# KiCad board papilio_sodimm_interposer.kicad_pcb
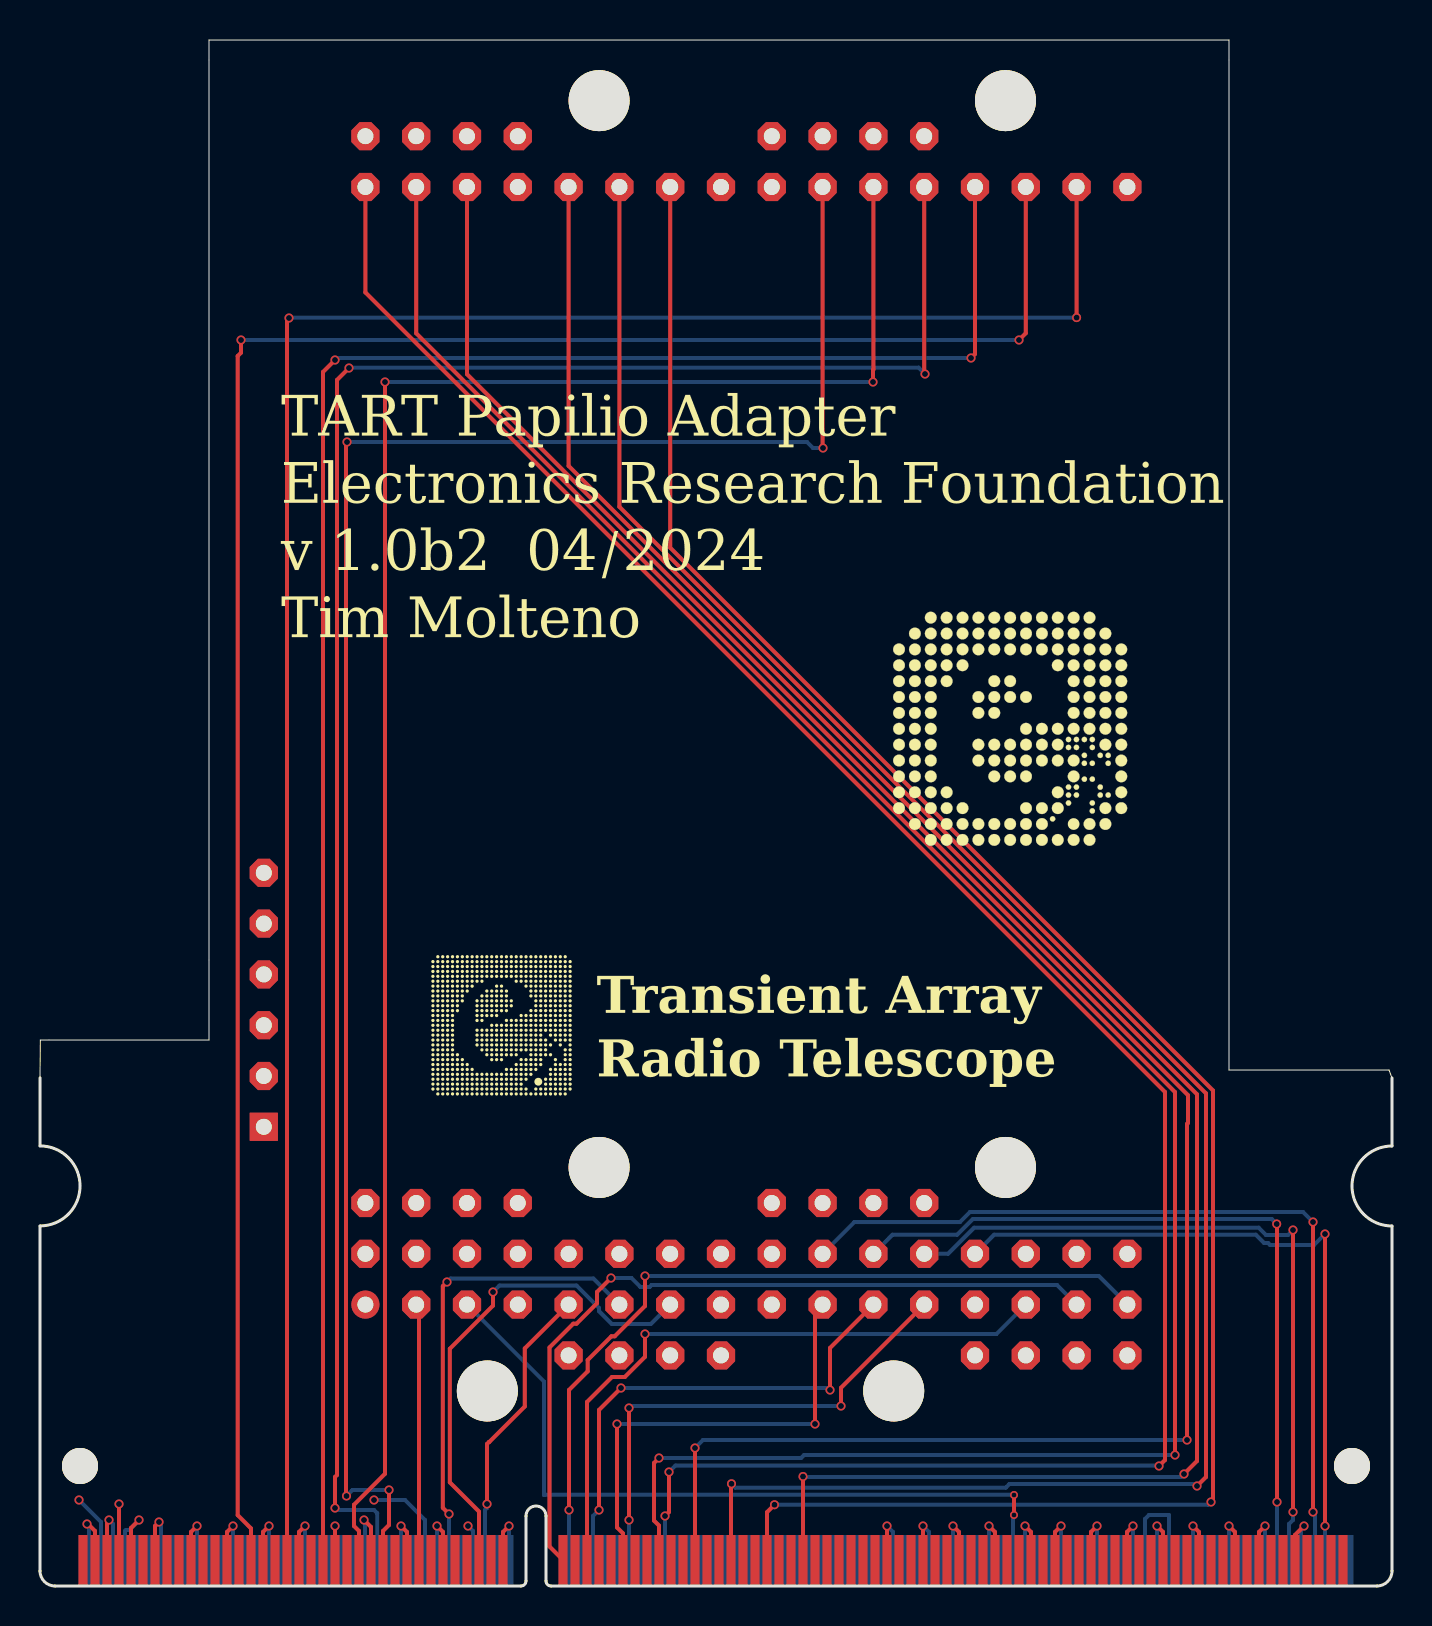
[diagram p0: board, top side]
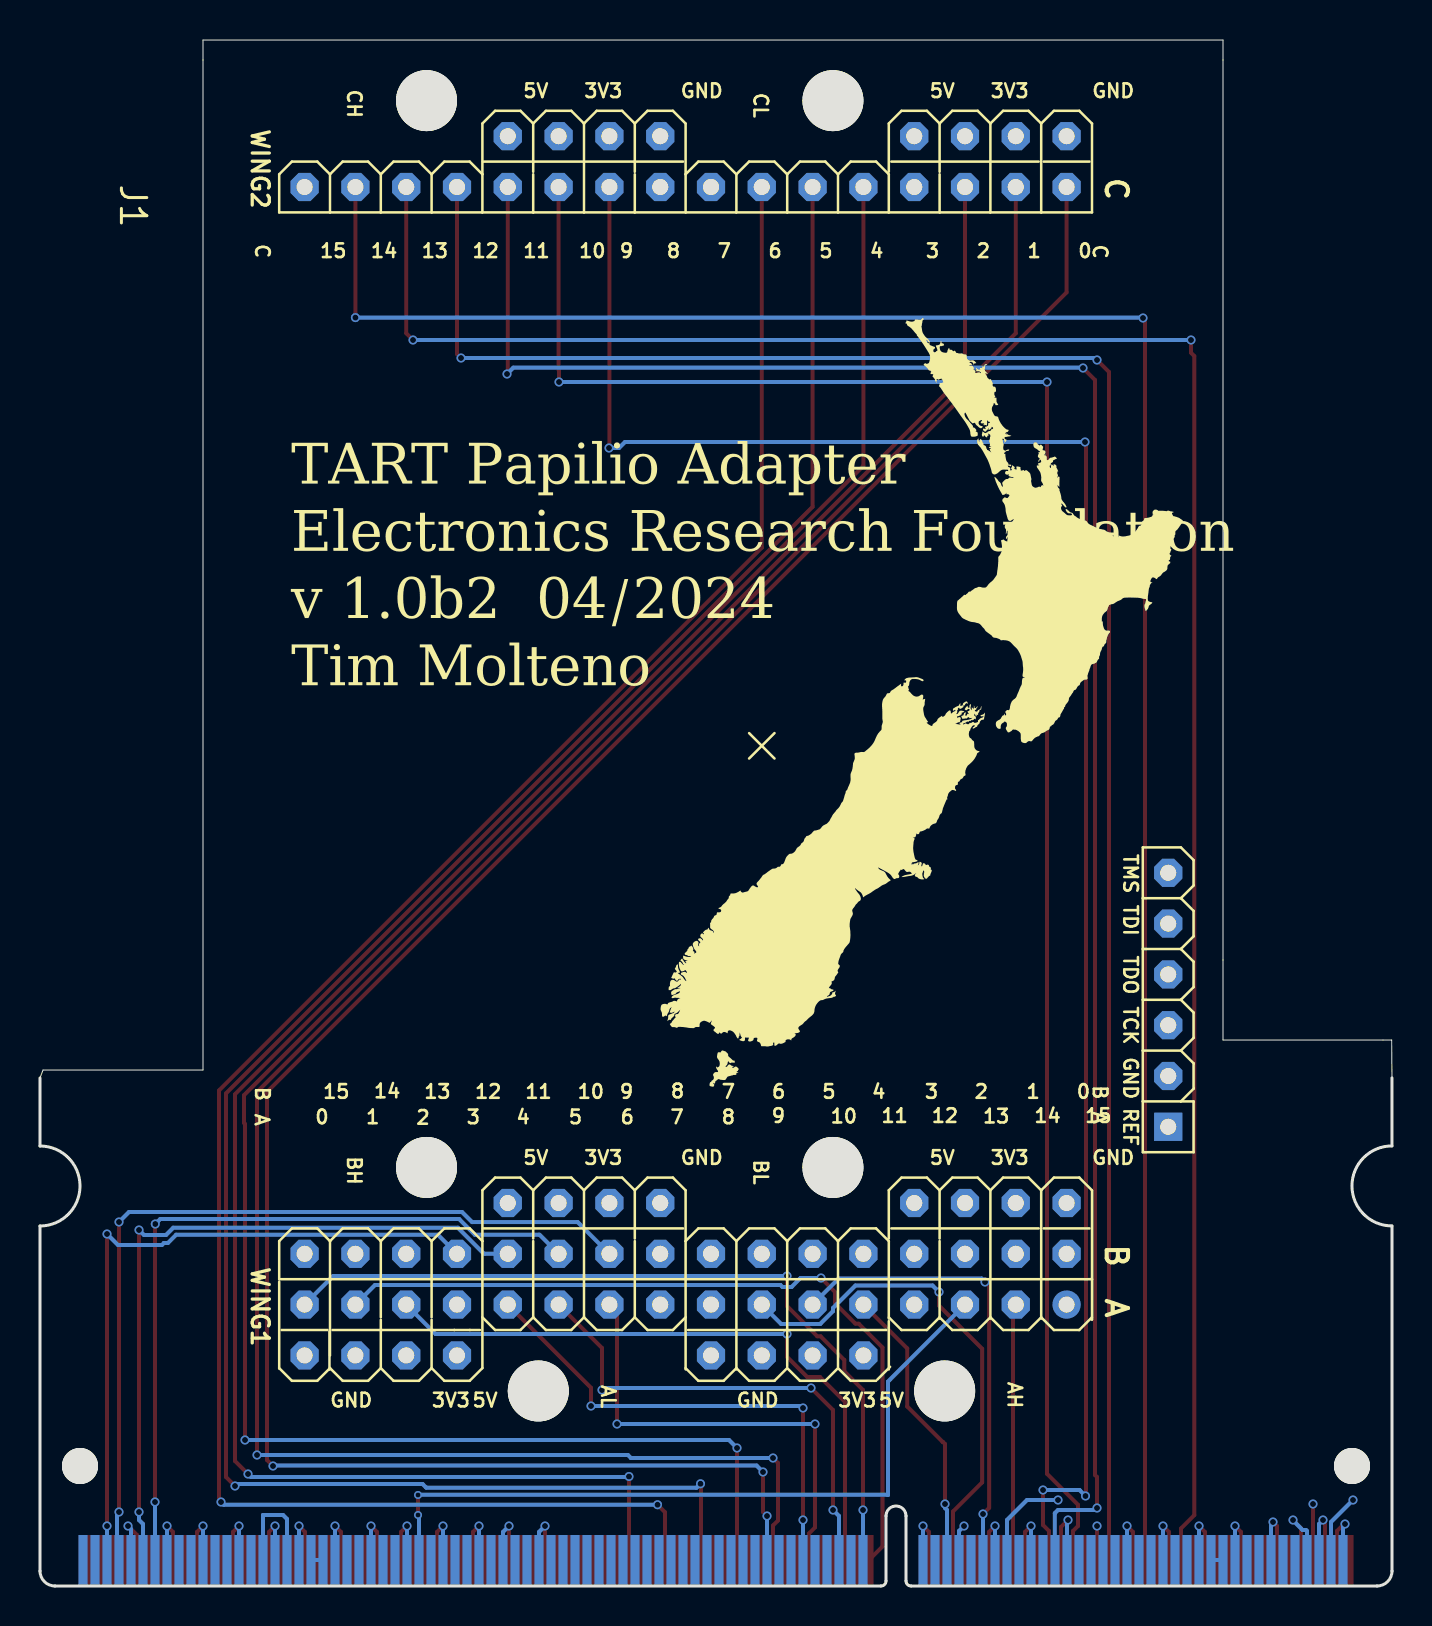
[diagram p1: board, bottom side, seen from below]

Outline 67.6 x 77.3 mm; copper layers: Top, In1.Cu, In2.Cu, Bottom. Coordinates in mm from the lower left corner of the outline.
Outline path: 0,25.4 0.02,27.3 0.45,27.3 8.45,27.3 8.45,77.3 59.45,77.3 59.45,25.8 67.45,25.8 67.6,25.4
Stack: Top 0.035mm / dielectric 0.1mm FR4 er 4.5 / In1.Cu 0.035mm / dielectric 0.64mm FR4 er 4.5 / In2.Cu 0.035mm / dielectric 0.1mm FR4 er 4.5 / Bottom 0.035mm

## Placement (name value [footprint] x y rotation side)
J1  Papilio Pro  [PAPILIO_PRO]  59.45 76.3 270 bottom
SLOT1  DDR3_204P_SMD  [SODIMM_DDR3_EDGE]  2.11 -0.02 0 top

## Library data of the parts
SLOT1 = -: BOM_SUPPLIER: LCSC; BOM_SUPPLIER PART: C225721; BOM_MANUFACTURER: FOXCONN; BOM_MANUFACTURER PART: AS0A621-H2S6-7H; SUBPART_NO: 1; BOM_JLCPCB PART CLASS: Extended Part; SPICEPRE: C; SPICESYMBOLNAME: AS0A621-H2S6-7H; ki_fp_filters: DDR3-SMD_0705F0BE40F

## Footprints (pads in the part's own frame, mm; a bottom-side part is the same pattern mirrored in y, then rotated)
PAPILIO_PRO
  round 3.048 hole 3.048 unplated: (2.032,11.176) (2.032,31.496) (55.372,11.176) (55.372,31.496) (66.548,16.764) (66.548,37.084)
  rrect 1.41x1.41 hole 0.8: 2V5W1@1(57.15,40.64) 2V5W1@2(64.77,27.94) 2V5W1@3(57.15,20.32) 2V5W1@4(64.77,7.62) 2V5W2@1(3.81,40.64) 2V5W2@2(3.81,20.32) 3V3W1@1(57.15,38.1) 3V3W1@2(64.77,30.48) 3V3W1@3(57.15,17.78) 3V3W1@4(64.77,10.16) 3V3W2@1(3.81,38.1) 3V3W2@2(3.81,17.78) A0(62.23,5.08) A1(62.23,7.62) A2(62.23,10.16) A3(62.23,12.7) A4(62.23,15.24) A5(62.23,17.78) A6(62.23,20.32) A7(62.23,22.86) A8(62.23,25.4) A9(62.23,27.94) A10(62.23,30.48) A11(62.23,33.02) A12(62.23,35.56) A13(62.23,38.1) A14(62.23,40.64) B0(59.69,43.18) B1(59.69,40.64) B2(59.69,38.1) B3(59.69,35.56) B4(59.69,33.02) B5(59.69,30.48) B6(59.69,27.94) B7(59.69,25.4) B8(59.69,22.86) B9(59.69,20.32) B10(59.69,17.78) B11(59.69,15.24) B12(59.69,12.7) B13(59.69,10.16) B14(59.69,7.62) B15(59.69,5.08) C0(6.35,43.18) C1(6.35,40.64) C2(6.35,38.1) C3(6.35,35.56) C4(6.35,33.02) C5(6.35,30.48) C6(6.35,27.94) C7(6.35,25.4) C8(6.35,22.86) C9(6.35,20.32) C10(6.35,17.78) C11(6.35,15.24) C12(6.35,12.7) C13(6.35,10.16) C14(6.35,7.62) C15(6.35,5.08) GNDW1@1(57.15,43.18) GNDW1@2(64.77,25.4) GNDW1@3(57.15,22.86) GNDW1@4(64.77,5.08) GNDW2@1(3.81,43.18) GNDW2@2(3.81,22.86) JTAG_GND(50.8,48.26) JTAG_TCK(48.26,48.26) JTAG_TDI(43.18,48.26) JTAG_TDO(45.72,48.26) JTAG_TMS(40.64,48.26) VIW1@1(57.15,35.56) VIW1@2(64.77,33.02) VIW1@3(57.15,15.24) VIW1@4(64.77,12.7) VIW2@1(3.81,35.56) VIW2@2(3.81,15.24)
  round 1.41 hole 0.8: A15(62.23,43.18)
  rect 1.41x1.41 hole 0.8: JTAG_REF(53.34,48.26)
SODIMM_DDR3_EDGE
  round 1.8 hole 1.8 unplated: (-0.112,6.016) (63.488,6.016)
  rect 0.45x2.5 smd: 1(0.038,1.316) 3(0.638,1.316) 5(1.238,1.316) 7(1.838,1.316) 9(2.438,1.316) 11(3.038,1.316) 13(3.638,1.316) 15(4.238,1.316) 17(4.838,1.316) 19(5.438,1.316) 21(6.038,1.316) 23(6.638,1.316) 25(7.238,1.316) 27(7.838,1.316) 29(8.438,1.316) 31(9.038,1.316) 33(9.638,1.316) 35(10.238,1.316) 37(10.838,1.316) 39(11.438,1.316) 41(12.038,1.316) 43(12.638,1.316) 45(13.238,1.316) 47(13.838,1.316) 49(14.438,1.316) 51(15.038,1.316) 53(15.638,1.316) 55(16.238,1.316) 57(16.838,1.316) 59(17.438,1.316) 61(18.038,1.316) 63(18.638,1.316) 65(19.238,1.316) 67(19.838,1.316) 69(20.438,1.316) 71(21.038,1.316) 73(24.038,1.316) 75(24.638,1.316) 77(25.238,1.316) 79(25.838,1.316) 81(26.438,1.316) 83(27.038,1.316) 85(27.638,1.316) 87(28.238,1.316) 89(28.838,1.316) 91(29.438,1.316) 93(30.038,1.316) 95(30.638,1.316) 97(31.238,1.316) 99(31.838,1.316) 101(32.438,1.316) 103(33.038,1.316) 105(33.638,1.316) 107(34.238,1.316) 109(34.838,1.316) 111(35.438,1.316) 113(36.038,1.316) 115(36.638,1.316) 117(37.238,1.316) 119(37.838,1.316) 121(38.438,1.316) 123(39.038,1.316) 125(39.638,1.316) 127(40.238,1.316) 129(40.838,1.316) 131(41.438,1.316) 133(42.038,1.316) 135(42.638,1.316) 137(43.238,1.316) 139(43.838,1.316) 141(44.438,1.316) 143(45.038,1.316) 145(45.638,1.316) 147(46.238,1.316) 149(46.838,1.316) 151(47.438,1.316) 153(48.038,1.316) 155(48.638,1.316) 157(49.238,1.316) 159(49.838,1.316) 161(50.438,1.316) 163(51.038,1.316) 165(51.638,1.316) 167(52.238,1.316) 169(52.838,1.316) 171(53.438,1.316) 173(54.038,1.316) 175(54.638,1.316) 177(55.238,1.316) 179(55.838,1.316) 181(56.438,1.316) 183(57.038,1.316) 185(57.638,1.316) 187(58.238,1.316) 189(58.838,1.316) 191(59.438,1.316) 193(60.038,1.316) 195(60.638,1.316) 197(61.238,1.316) 199(61.838,1.316) 201(62.438,1.316) 203(63.038,1.316)
  rect 0.45x2.5 smd far side: 2(0.338,1.316) 4(0.938,1.316) 6(1.538,1.316) 8(2.138,1.316) 10(2.738,1.316) 12(3.338,1.316) 14(3.938,1.316) 16(4.538,1.316) 18(5.138,1.316) 20(5.738,1.316) 22(6.338,1.316) 24(6.938,1.316) 26(7.538,1.316) 28(8.138,1.316) 30(8.738,1.316) 32(9.338,1.316) 34(9.938,1.316) 36(10.538,1.316) 38(11.138,1.316) 40(11.738,1.316) 42(12.338,1.316) 44(12.938,1.316) 46(13.538,1.316) 48(14.138,1.316) 50(14.738,1.316) 52(15.338,1.316) 54(15.938,1.316) 56(16.538,1.316) 58(17.138,1.316) 60(17.738,1.316) 62(18.338,1.316) 64(18.938,1.316) 66(19.538,1.316) 68(20.138,1.316) 70(20.738,1.316) 72(21.338,1.316) 74(24.338,1.316) 76(24.938,1.316) 78(25.538,1.316) 80(26.138,1.316) 82(26.738,1.316) 84(27.338,1.316) 86(27.938,1.316) 88(28.538,1.316) 90(29.138,1.316) 92(29.738,1.316) 94(30.338,1.316) 96(30.938,1.316) 98(31.538,1.316) 100(32.138,1.316) 102(32.738,1.316) 104(33.338,1.316) 106(33.938,1.316) 108(34.538,1.316) 110(35.138,1.316) 112(35.738,1.316) 114(36.338,1.316) 116(36.938,1.316) 118(37.538,1.316) 120(38.138,1.316) 122(38.738,1.316) 124(39.338,1.316) 126(39.938,1.316) 128(40.538,1.316) 130(41.138,1.316) 132(41.738,1.316) 134(42.338,1.316) 136(42.938,1.316) 138(43.538,1.316) 140(44.138,1.316) 142(44.738,1.316) 144(45.338,1.316) 146(45.938,1.316) 148(46.538,1.316) 150(47.138,1.316) 152(47.738,1.316) 154(48.338,1.316) 156(48.938,1.316) 158(49.538,1.316) 160(50.138,1.316) 162(50.738,1.316) 164(51.338,1.316) 166(51.938,1.316) 168(52.538,1.316) 170(53.138,1.316) 172(53.738,1.316) 174(54.338,1.316) 176(54.938,1.316) 178(55.538,1.316) 180(56.138,1.316) 182(56.738,1.316) 184(57.338,1.316) 186(57.938,1.316) 188(58.538,1.316) 190(59.138,1.316) 192(59.738,1.316) 194(60.338,1.316) 196(60.938,1.316) 198(61.538,1.316) 200(62.138,1.316) 202(62.738,1.316) 204(63.338,1.316)

## Nets
+3.3V: SLOT1.22 SLOT1.24
+5V: J1.VIW1@1 J1.VIW1@2 J1.VIW1@3 J1.VIW1@4 J1.VIW2@1 J1.VIW2@2 SLOT1.4 SLOT1.5 SLOT1.6 SLOT1.7
GND: J1.GNDW1@1 J1.GNDW1@2 J1.GNDW1@3 J1.GNDW1@4 J1.GNDW2@1 J1.GNDW2@2 SLOT1.2 SLOT1.3 SLOT1.8 SLOT1.9 SLOT1.13 SLOT1.14 SLOT1.19 SLOT1.20 SLOT1.25 SLOT1.26 SLOT1.31 SLOT1.32 SLOT1.37 SLOT1.38 SLOT1.43 SLOT1.48 SLOT1.49 SLOT1.54 SLOT1.55 SLOT1.60 SLOT1.61 SLOT1.66 SLOT1.71 SLOT1.72 SLOT1.127 SLOT1.128 SLOT1.133 SLOT1.134 SLOT1.138 SLOT1.139 SLOT1.144 SLOT1.145 SLOT1.150 SLOT1.151 SLOT1.155 SLOT1.156 SLOT1.161 SLOT1.162 SLOT1.167 SLOT1.168 SLOT1.172 SLOT1.173 SLOT1.178 SLOT1.179 SLOT1.184 SLOT1.185 SLOT1.189 SLOT1.190 SLOT1.195 SLOT1.196
/A13_IOR32A_READY: SLOT1.98
/B10_IOR31B_~{RECFG}: SLOT1.96
/C7_IOL40B_1V5: SLOT1.157
/C10_IOR39A: SLOT1.135
/C13_IOR32B_DONE: SLOT1.136
/D7_IOL53B_1V5: SLOT1.159
/E8_IOL45B_1V5: SLOT1.160
/E9_IOL38B_1V5: SLOT1.158
/F_VCCO0&1: SLOT1.164 SLOT1.166
/F_VCCO7: SLOT1.170 SLOT1.174
/JTAG_TCK: SLOT1.149
/JTAG_TDI: SLOT1.153
/JTAG_TDO: SLOT1.147
/JTAG_TMS: SLOT1.143
/LVDS_IOR40_N: SLOT1.193
/LVDS_IOR40_P: SLOT1.191
/LVDS_IOT32_N: SLOT1.152
/LVDS_IOT32_P: SLOT1.154
/LVDS_TX1_N: SLOT1.142
/LVDS_TX1_P: SLOT1.140
/M11_IOR27B_FPGA_TXO: SLOT1.11
/T2_IOB48B_1V5: SLOT1.163
/T3_IOB52B_1V5: SLOT1.165
/T4_IOB45B_1V5: SLOT1.169
/T5_IOB54B_1V5: SLOT1.171
/T10_IOR35B_FPGA_~{RST}: SLOT1.15
/T13_IOR8B_FPGA_RXO: SLOT1.1
/T15_IOR7A: SLOT1.81
CLK_16: J1.A13 SLOT1.148
FPGA_CS#: J1.B9 SLOT1.198
FPGA_MISO: J1.B10 SLOT1.192
FPGA_MOSI: J1.B11 SLOT1.194
FPGA_SCLK: J1.B12 SLOT1.200
R09_I1: SLOT1.63
R9_I1: J1.A12
R09_Q1: SLOT1.65
R10_I1: J1.A10 SLOT1.62
R10_Q1: SLOT1.64
R11_I1: J1.A9 SLOT1.67
R11_Q1: SLOT1.69
R12_I1: J1.A11 SLOT1.68
R12_Q1: SLOT1.70
R13_I1: J1.A1 SLOT1.73
R13_Q1: SLOT1.75
R14_I1: J1.A0 SLOT1.74
R14_Q1: SLOT1.76
R15_I1: J1.A2 SLOT1.77
R15_Q1: SLOT1.79
R16_I1: J1.A5 SLOT1.78
R16_Q1: SLOT1.80
R17_I1: J1.A6 SLOT1.83
R17_Q1: SLOT1.85
R18_I1: J1.A4 SLOT1.84
R18_Q1: SLOT1.86
R19_I1: J1.C1 SLOT1.89
R19_Q1: SLOT1.91
R20_I1: J1.C0 SLOT1.90
R20_Q1: SLOT1.92
R21_I1: J1.C2 SLOT1.95
R21_Q1: SLOT1.97
R22_I1: J1.C5 SLOT1.101
R22_Q1: SLOT1.103
R23_I1: J1.C6 SLOT1.107
R23_Q1: SLOT1.109
R24_I1: J1.C4 SLOT1.113
R24_Q1: SLOT1.115
R25_I1: SLOT1.119
R25_Q1: SLOT1.121
R26_I1: SLOT1.123
R26_Q1: SLOT1.125
R27_I1: SLOT1.129
R27_Q1: SLOT1.131
R28_I1: SLOT1.130
R28_Q1: SLOT1.132
R29_I1: SLOT1.175
R29_Q1: SLOT1.177
R30_I1: SLOT1.180
R30_Q1: SLOT1.176
R31_I1: SLOT1.181
R31_Q1: SLOT1.183
R32_I1: SLOT1.186
R32_Q1: SLOT1.182
RADIO_RECONFIG: SLOT1.146
RX01_I0: SLOT1.27
RX01_I1: J1.C13 SLOT1.29
RX01_Q0: SLOT1.28
RX01_Q1: SLOT1.30
RX02_I0: SLOT1.33
RX02_I1: J1.C14 SLOT1.35
RX02_Q0: SLOT1.34
RX02_Q1: SLOT1.36
RX03_I0: SLOT1.39
RX03_I1: J1.C12 SLOT1.41
RX03_Q0: SLOT1.40
RX03_Q1: SLOT1.42
RX04_I0: SLOT1.45
RX04_I1: J1.C10 SLOT1.47
RX04_Q0: SLOT1.44
RX04_Q1: SLOT1.46
RX05_I1: J1.C9 SLOT1.51
RX05_Q1: SLOT1.53
RX06_I1: J1.C11 SLOT1.50
RX06_Q1: SLOT1.52
RX07_I1: J1.A14 SLOT1.57
RX07_Q1: SLOT1.59
RX08_I1: J1.A15 SLOT1.58
RX08_Q1: SLOT1.56

Pads without a net: J1 2V5W1@1 2V5W1@2 2V5W1@3 2V5W1@4 2V5W2@1 2V5W2@2 3V3W1@1 3V3W1@2 3V3W1@3 3V3W1@4 3V3W2@1 3V3W2@2 A3 A7 A8 B0 B1 B2 B3 B4 B5 B6 B7 B8 B13 B14 B15 C3 C7 C8 C15 JTAG_GND JTAG_REF JTAG_TCK JTAG_TDI JTAG_TDO JTAG_TMS; SLOT1 10 12 16 17 18 21 23 82 87 88 93 94 99 100 102 104 105 106 108 110 111 112 114 116 117 118 120 122 124 126 137 141 187 188 197 199 201 202 203 204

## Via types
v1: diameter 0.45, hole 0.3, Top to Bottom, 82 vias
v2: diameter 0.4, hole 0.25, Top to Bottom, 2 vias

## Routing (per net, layer and track width the routed paths; a pad name or vN(x,y) marks a point on that pad's centre or on a via; arc(x,y) is an arc through that point)
+3.3V: length 0.6
  Bottom w0.2: SLOT1.22 SLOT1.24
+5V: length 10.4
  Top w0.2: SLOT1.5 3.35,3.2 v1(3.45,3.3) ; v1(3.95,4.1) SLOT1.7
  Bottom w0.2: v1(1.95,4.3) 3.05,3.2 SLOT1.4 ; v1(3.45,3.3) 3.65,3.1 SLOT1.6
GND: length 90.6
  Top w0.2: SLOT1.145 47.75,2.7 v1(47.45,3) ; SLOT1.25 9.35,2.7 v1(9.65,3) ; v1(51.05,3) 50.75,2.7 SLOT1.155 ; v1(5.95,3.2) 5.75,3 SLOT1.13 ; SLOT1.133 v1(44.15,3) ; v1(11.45,3) 11.15,2.7 SLOT1.31 ; SLOT1.189 60.95,2.7 v1(61.25,3) ; v1(57.65,3) 57.95,2.7 SLOT1.179 ; v1(45.65,3) 45.95,2.7 SLOT1.139 ; SLOT1.37 12.95,2.7 v1(13.25,3) ; SLOT1.185 59.75,2.7 v1(59.45,3) ; v1(55.85,3) 56.15,2.7 SLOT1.173 ; SLOT1.151 49.55,2.7 v1(49.25,3) ; v1(16.2,3.3) 16.55,2.95 SLOT1.49 ; v1(4.95,3.3) 4.55,2.9 SLOT1.9 ; SLOT1.127 v1(42.35,3) ; v1(23.45,3) 23.15,2.7 SLOT1.71 ; SLOT1.55 18.35,2.7 v1(18.05,3) ; SLOT1.43 v1(14.75,3) ; v1(52.85,3) 52.55,2.7 SLOT1.161 ; SLOT1.3 2.75,2.75 2.4,3.1 v1(2.35,3.1) ; v1(54.65,3) 54.35,2.7 SLOT1.167 ; SLOT1.19 7.55,2.7 v1(7.85,3) ; SLOT1.61 20.15,2.7 v1(19.85,3) ; SLOT1.195 62.75,2.55 v1(63.2,3)
  Bottom w0.2: SLOT1.20 v1(7.85,3) ; SLOT1.26 v1(9.65,3) ; SLOT1.54 v1(18.05,3) ; v1(21.4,3) 21.65,2.75 SLOT1.66 ; SLOT1.168 v1(54.65,3) ; SLOT1.32 v1(11.45,3) ; SLOT1.172 v1(55.85,3) ; v1(16.2,3.3) 16.25,3.25 SLOT1.48 ; SLOT1.144 v1(47.45,3) ; SLOT1.8 4.25,2.75 4.3,2.8 4.47,2.8 4.95,3.28 v1(4.95,3.3) ; v1(2.35,3.1) 2.45,3 SLOT1.2 ; v1(5.95,3.2) 6.05,3.1 SLOT1.14 ; SLOT1.162 v1(52.85,3) ; SLOT1.196 63.05,2.85 v1(63.2,3) ; v1(42.35,3) 42.65,2.7 SLOT1.128 ; SLOT1.138 v1(45.65,3) ; SLOT1.150 v1(49.25,3) ; SLOT1.38 v1(13.25,3) ; SLOT1.72 v1(23.45,3) ; SLOT1.156 v1(51.05,3) ; SLOT1.190 v1(61.25,3) ; SLOT1.60 v1(19.85,3) ; SLOT1.184 v1(59.45,3) ; SLOT1.134 44.45,2.7 v1(44.15,3) ; SLOT1.178 v1(57.65,3)
/F_VCCO0&1: length 0.6
  Bottom w0.2: SLOT1.164 SLOT1.166
/F_VCCO7: length 5.6
  Bottom w0.2: SLOT1.170 55.25,3.35 55.45,3.55 56.45,3.55 SLOT1.174
CLK_16: length 37.9
  Top w0.2: v2(48.7,4.55) v2(48.7,3.55)
  Bottom w0.2: SLOT1.148 48.65,3.5 v2(48.7,3.55) ; v2(48.7,4.55) 48.69,4.56 25.21,4.56 25.2,4.55 25.2,10.22 J1.A13
FPGA_CS#: length 42.6
  Top w0.2: v1(63.65,3.7) v1(63.65,18.2)
  Bottom w0.2: v1(63.65,18.2) 63.15,18.7 46.5,18.7 45.99,18.2 40.72,18.2 J1.B9 ; v1(63.65,3.7) 63.75,3.6 63.75,1.4 SLOT1.198
FPGA_MISO: length 37.8
  Top w0.2: v1(61.85,4.2) 61.85,18.09 v1(61.84,18.1)
  Bottom w0.2: J1.B10 42.62,17.56 45.86,17.56 46.64,18.35 61.59,18.35 v1(61.84,18.1) ; SLOT1.192 v1(61.85,4.2)
FPGA_MOSI: length 35.8
  Top w0.2: v1(62.65,17.8) v1(62.65,3.7)
  Bottom w0.2: v1(62.65,3.7) 62.65,3.3 62.45,3.1 SLOT1.194 ; J1.B11 45.4,16.61 46.7,17.91 60.94,17.91 61.3,17.55 62.4,17.55 v1(62.65,17.8)
FPGA_SCLK: length 34.6
  Top w0.2: v1(64.25,17.6) v1(64.25,3)
  Bottom w0.2: J1.B12 47.7,17.56 60.79,17.56 61.21,17.15 61.41,17.15 61.51,17.05 63.7,17.05 v1(64.25,17.6) ; v1(64.25,3) SLOT1.200
R10_I1: length 23.3
  Top w0.2: v1(20.45,3.6) 20.14,3.91 20.14,14.99 v1(20.35,15.2)
  Bottom w0.2: J1.A10 27.67,15.37 20.52,15.37 v1(20.35,15.2) ; SLOT1.62 v1(20.45,3.6)
R11_I1: length 25.2
  Top w0.2: SLOT1.67 21.95,3.72 20.49,5.18 20.49,11.86 22.65,14.02 v1(22.65,14.7)
  Bottom w0.2: v1(22.65,14.7) 22.97,15.02 26.83,15.02 27.95,13.9 27.95,13.74 28.59,13.1 30.54,13.1 J1.A9
R12_I1: length 14.5
  Top w0.2: v1(22.35,4.1) 22.35,7.1 22.45,7.2 22.46,7.2 24.24,8.98 24.24,11.88 J1.A11
  Bottom w0.2: SLOT1.68 22.25,3.8 22.35,3.9 v1(22.35,4.1)
R13_I1: length 39.7
  Top w0.2: v1(28.55,15.4) 27.85,14.7 27.85,14.14 26.83,13.12 26.66,13.12 25.48,11.93 25.48,1.97 SLOT1.73
  Bottom w0.2: v1(28.55,15.4) 29.57,15.4 30.02,14.95 30.48,14.95 30.58,15.05 50.85,15.05 J1.A1
R14_I1: length 40.6
  Top w0.2: v1(30.25,15.5) 30.25,14 28.74,12.48 28.57,12.48 27.38,11.3 27.38,10.73 26.45,9.8 v1(26.45,3.8)
  Bottom w0.2: J1.A0 52.94,15.5 v1(30.25,15.5) ; v1(26.45,3.8) SLOT1.74
R15_I1: length 32.5
  Top w0.2: v1(30.25,12.6) 30.25,11.46 29.24,10.45 28.6,10.45 27.35,9.2 SLOT1.77
  Bottom w0.2: J1.A2 47.82,12.6 v1(30.25,12.6)
R16_I1: length 24.8
  Top w0.2: J1.A5 39.5,11.9 v1(39.5,9.8) ; v1(29.05,9.9) 27.95,8.8 v1(27.95,3.8)
  Bottom w0.2: v1(27.95,3.8) 27.65,3.5 SLOT1.78 ; v1(39.5,9.8) 39.4,9.9 v1(29.05,9.9)
R17_I1: length 23
  Top w0.2: v1(28.85,8.1) 28.85,2.93 29.15,2.63 SLOT1.83 ; J1.A6 38.75,13.69 v1(38.75,8.1)
  Bottom w0.2: v1(28.85,8.1) v1(38.75,8.1)
R18_I1: length 25
  Top w0.2: v1(29.45,8.9) v1(29.45,3.3) ; v1(40.05,9) 40.05,9.91 J1.A4
  Bottom w0.2: v1(40.05,9) 29.55,9 v1(29.45,8.9) ; v1(29.45,3.3) SLOT1.84
R19_I1: length 110.3
  Top w0.2: SLOT1.89 30.95,3.02 30.7,3.27 30.7,6.15 v1(30.95,6.4) ; J1.C1 18.81,62.63 56.75,24.69 v1(56.75,6.55)
  Bottom w0.2: v1(56.75,6.55) 38.21,6.55 38.06,6.4 v1(30.95,6.4)
R20_I1: length 109.8
  Top w0.2: v1(31.45,5.7) 31.45,3.7 v1(31.25,3.5) ; v1(55.95,6) 56.25,6.3 56.25,24.7 16.27,64.68 J1.C0
  Bottom w0.2: v1(31.25,3.5) SLOT1.90 ; v1(55.95,6) 55.93,6.02 31.77,6.02 v1(31.45,5.7)
R21_I1: length 108
  Top w0.2: J1.C2 21.35,60.59 57.4,24.54 57.4,23.16 57.35,23.11 v1(57.35,7.3) ; v1(32.75,6.9) SLOT1.95
  Bottom w0.2: v1(32.75,6.9) 33.15,7.3 v1(57.35,7.3)
R22_I1: length 104.6
  Top w0.2: J1.C5 28.97,53.96 58.3,24.63 58.3,23.93 58.3,5.45 v1(57.85,5) ; SLOT1.101 34.55,5.09 v1(34.57,5.11)
  Bottom w0.2: v1(57.85,5) 57.75,5.1 48.47,5.1 48.28,4.91 34.77,4.91 v1(34.57,5.11)
R23_I1: length 101.8
  Top w0.2: SLOT1.107 36.35,3.69 v1(36.72,4.06) ; J1.C6 31.51,51.91 58.65,24.77 58.65,24.08 58.65,4.3 v1(58.55,4.2)
  Bottom w0.2: v1(36.72,4.06) 58.41,4.06 v1(58.55,4.2)
R24_I1: length 100.9
  Top w0.2: v1(57.2,5.6) 57.85,6.25 57.85,24.58 26.43,56 J1.C4 ; SLOT1.113 v1(38.15,5.47)
  Bottom w0.2: v1(57.2,5.6) 57.05,5.45 38.17,5.45 v1(38.15,5.47)
RX01_I1: length 108
  Top w0.2: v1(10.05,62.3) 10.05,61.66 9.89,61.5 9.89,3.54 10.55,2.88 SLOT1.29 ; J1.C13 49.29,62.64 v1(48.95,62.3)
  Bottom w0.2: v1(48.95,62.3) v1(10.05,62.3)
RX02_I1: length 108.1
  Top w0.2: J1.C14 v1(51.83,63.42) ; v1(12.45,63.4) 12.35,63.3 SLOT1.35
  Bottom w0.2: v1(51.83,63.42) 12.47,63.42 v1(12.45,63.4)
RX03_I1: length 100.7
  Top w0.2: SLOT1.41 14.15,60.7 v1(14.75,61.3) ; J1.C12 46.75,61.6 v1(46.55,61.4)
  Bottom w0.2: v1(46.55,61.4) 14.85,61.4 v1(14.75,61.3)
RX04_I1: length 93.8
  Top w0.2: J1.C10 41.67,60.82 41.65,60.8 v1(41.65,60.2) ; v1(17.25,60.2) 17.25,5.61 15.7,4.06 15.7,3 15.95,2.75 SLOT1.47
  Bottom w0.2: v1(17.25,60.2) v1(41.65,60.2)
RX05_I1: length 95.6
  Top w0.2: v1(39.15,56.9) 39.13,56.92 J1.C9 ; v1(17.45,4.8) 17.45,3.05 17.15,2.75 SLOT1.51 ; v1(15.35,57.2) 15.3,57.15 15.3,4.53 v1(15.33,4.5)
  Bottom w0.2: v1(15.33,4.5) 15.63,4.8 v1(17.45,4.8) ; v1(15.35,57.2) 38.35,57.2 38.65,56.9 v1(39.15,56.9)
RX06_I1: length 100.2
  Top w0.2: v1(14.75,3.9) 14.75,5.45 14.85,5.55 14.85,60.3 v1(15.45,60.9) ; J1.C11 44.21,60.64 v1(44.25,60.6)
  Bottom w0.2: v1(44.25,60.6) 43.93,60.92 15.47,60.92 v1(15.45,60.9) ; v1(14.75,3.9) 14.85,3.8 16.7,3.8 16.86,3.64 16.86,1.31 SLOT1.50
RX07_I1: length 12.8
  Top w0.2: SLOT1.57 18.95,13.93 J1.A14
RX08_I1: length 14.9
  In2.Cu w0.2: v1(16.7,4.3) 16.27,4.73 J1.A15
  Bottom w0.2: v1(16.7,4.3) 18.25,4.3 19.25,3.3 SLOT1.58

## Copper pours and planes (outline as drawn; the poured copper is in the pictures)
+5V on In2.Cu: -3.05,85.3 71.95,85.3 71.95,-9.7 -3.05,-9.7
GND on In1.Cu: -5.05,79.3 73.95,79.3 73.95,-7.7 -9.05,-7.7

## Text on the board
B.Silkscreen: TART Papilio Adapter / Electronics Research Foundation / v 1.0b2  04/2024 / Tim Molteno
F.Silkscreen: TART Papilio Adapter / Electronics Research Foundation / v 1.0b2  04/2024 / Tim Molteno
